# Altium PCB Lighting_Control_Board.PcbDoc (part 1 of 2) (continued)
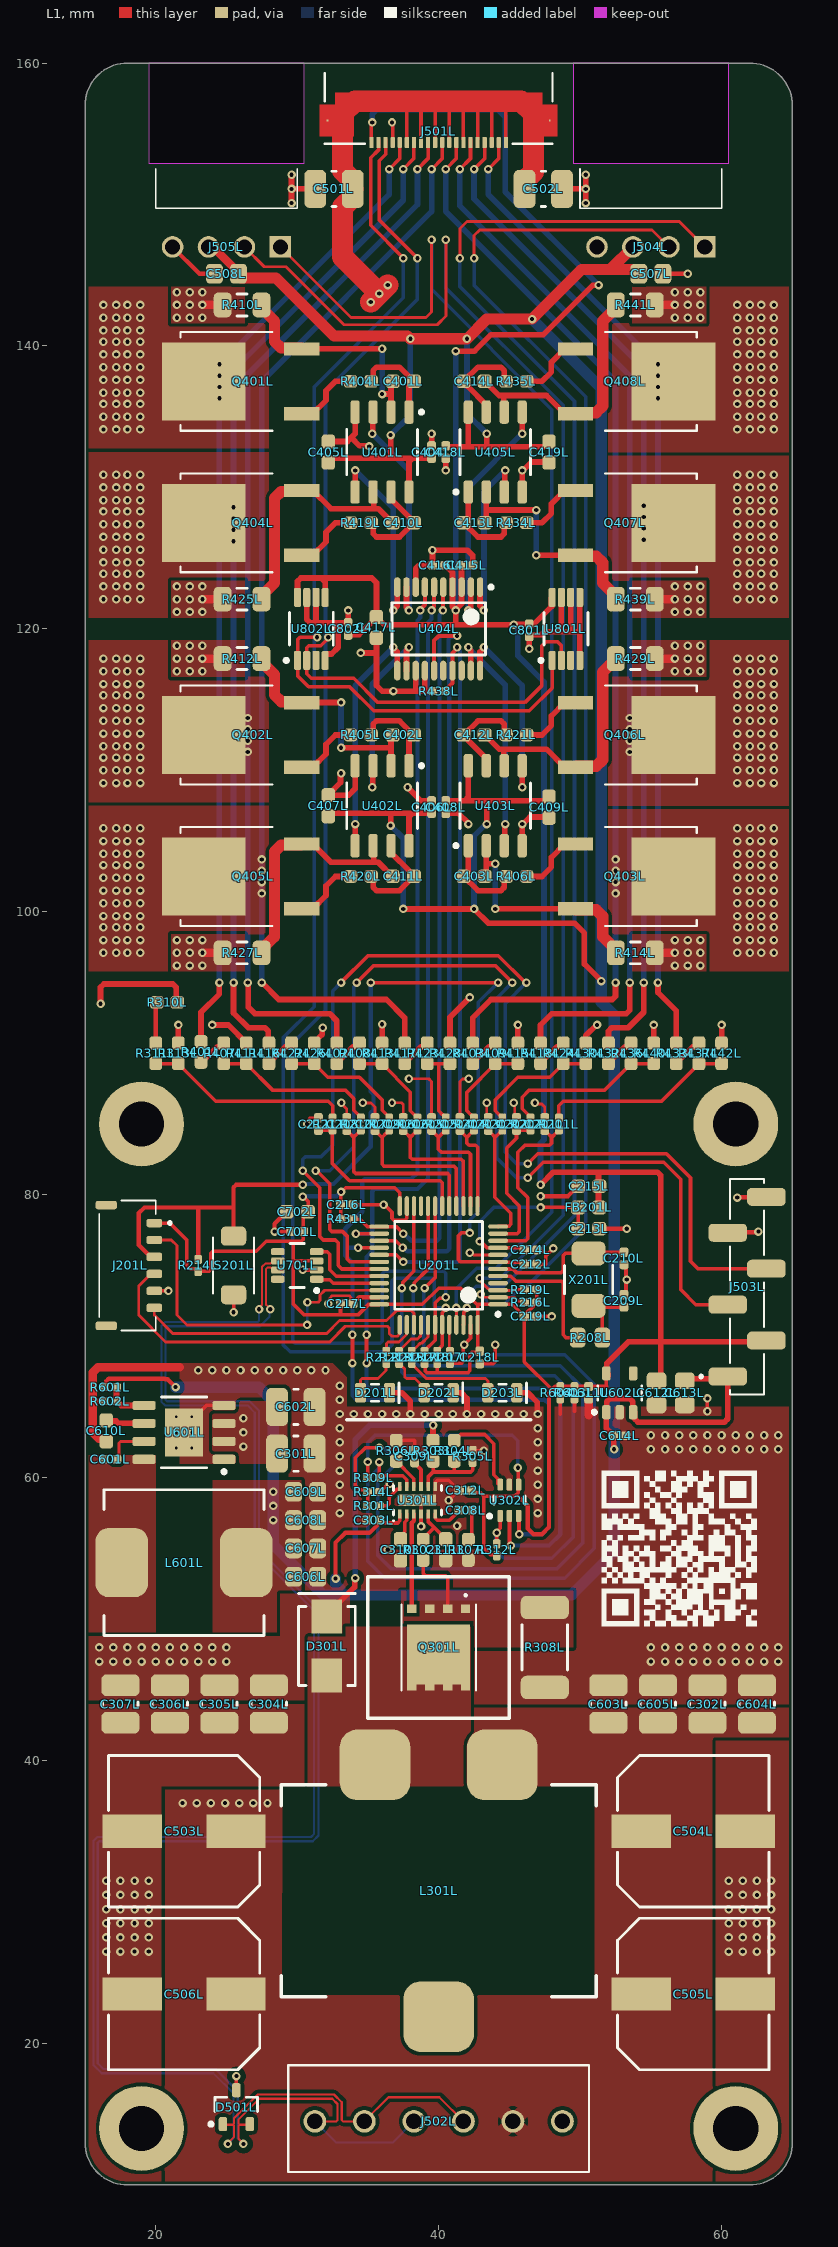
[diagram p0: L1 view]
## Part data (continued)
D201L D202L D203L: "-30℃~+85℃ 1.6V~2.6V 130° 195mcd 25mA 615nm~630nm 630nm 65mW Discrete Diode Red 0805 LED Indication - Discrete ROHS", Manufacturer="Foshan NationStar Optoelectronics", Supplier Part Number=C84256, Manufacturer Part Number=NCD0805R1, Supplier=LCSC
D301L: "DIODE SCHOTTKY 150V 3A SMBFLAT / Rectifier Diode Schottky 150V 3A Automotive 2-Pin SMB T/R", Manufacturer=STMicroelectronics, Supplier Part Number=C40041, ComponentLink1Description=https://datasheet.octopart.com:443/STPS3150U-STMicroelectronics-datasheet-62337139.pdf?src-supplier=STMicroelectronics, ComponentLink1URL=https://datasheet.octopart.com:443/STPS3150U-STMicroelectronics-datasheet-62337139.pdf?src-supplier=STMicroelectronics, ComponentLink2Description=https://datasheet.octopart.com:443/STPS3150U-STMicroelectronics-datasheet-10490298.pdf?src-supplier=Newark, ComponentLink2URL=https://datasheet.octopart.com:443/STPS3150U-STMicroelectronics-datasheet-10490298.pdf?src-supplier=Newark, ComponentLink3Description=https://datasheet.octopart.com:443/STPS3150U-STMicroelectronics-datasheet-66351763.pdf?src-supplier=TME, ComponentLink3URL=https://datasheet.octopart.com:443/STPS3150U-STMicroelectronics-datasheet-66351763.pdf?src-supplier=TME, ComponentLink4Description=https://datasheet.octopart.com:443/STPS3150U-STMicroelectronics-datasheet-48879.pdf?src-supplier=Nu+Horizons, ComponentLink4URL=https://datasheet.octopart.com:443/STPS3150U-STMicroelectronics-datasheet-48879.pdf?src-supplier=Nu+Horizons, ComponentLink5Description=https://datasheet.octopart.com:443/STPS3150U-STMicroelectronics-datasheet-127521.pdf?src-supplier=Farnell, ComponentLink5URL=https://datasheet.octopart.com:443/STPS3150U-STMicroelectronics-datasheet-127521.pdf?src-supplier=Farnell, ComponentLink6Description=https://datasheet.octopart.com:443/STPS3150U-STMicroelectronics-datasheet-14054768.pdf?src-supplier=iiiC, ComponentLink6URL=https://datasheet.octopart.com:443/STPS3150U-STMicroelectronics-datasheet-14054768.pdf?src-supplier=iiiC, ComponentLink7Description=https://datasheet.octopart.com:443/STPS3150U-STMicroelectronics-datasheet-21339.pdf?src-supplier=Mouser, ComponentLink7URL=https://datasheet.octopart.com:443/STPS3150U-STMicroelectronics-datasheet-21339.pdf?src-supplier=Mouser, Manufacturer Part Number=STPS3150U, Supplier=LCSC
D501L: "Automotive, dual 1.75pF ±24-V ±20-kV ESD protection diode for in-vehicle networks", Manufacturer="Texas Instruments", Supplier Part Number=C20345393, ComponentLink1Description=https://sigma.octopart.com:443/179129137/technical_drawing/Texas-Instruments-ESD2CANXL24DBZRQ1.pdf?src-supplier=Texas+Instruments, ComponentLink1URL=https://sigma.octopart.com:443/179129137/technical_drawing/Texas-Instruments-ESD2CANXL24DBZRQ1.pdf?src-supplier=Texas+Instruments, ComponentLink2Description=https://octopart.com:443/opatz8j6/c1?t=lNR_6sRHLPKw7P8s1f-P04G22oHVbNzLWIWsPGfWTXZ9XRQIvcA5wj7aC-3bH0hinutt4AnjL7p6lgyA7lOHjNt8nBmo7xetRU4eexJqdWdGJCmrDm-BWyIS_TvcQf3t1-nq1wS0AqH4-vRTWGrmWgud7pC0fyJDAEbjYJVT_McMvhHa8-DYyuNa33bEgm-4l-4f_LsuvkAfuxVyDYdP7eVVi8b2TRcUoqK1F4h2YfS05PEe3uCTNQAZT15EaK8Rv7aQinqmq15SoS-3EdZkqgYMfTiBeQ057CxLqHSGnbTzgE5D5or64hT-WVm7dN6eS7KK1x9JT8od4UsAxEVxyxTWGLSfv0bhoA6oAuQ233aPK6tgUaVUJzFwomW_15-JhpjxqKHvsXcmqo3K&src-supplier=Texas+Instruments, ComponentLink2URL=https://octopart.com:443/opatz8j6/c1?t=lNR_6sRHLPKw7P8s1f-P04G22oHVbNzLWIWsPGfWTXZ9XRQIvcA5wj7aC-3bH0hinutt4AnjL7p6lgyA7lOHjNt8nBmo7xetRU4eexJqdWdGJCmrDm-BWyIS_TvcQf3t1-nq1wS0AqH4-vRTWGrmWgud7pC0fyJDAEbjYJVT_McMvhHa8-DYyuNa33bEgm-4l-4f_LsuvkAfuxVyDYdP7eVVi8b2TRcUoqK1F4h2YfS05PEe3uCTNQAZT15EaK8Rv7aQinqmq15SoS-3EdZkqgYMfTiBeQ057CxLqHSGnbTzgE5D5or64hT-WVm7dN6eS7KK1x9JT8od4UsAxEVxyxTWGLSfv0bhoA6oAuQ233aPK6tgUaVUJzFwomW_15-JhpjxqKHvsXcmqo3K&src-supplier=Texas+Instruments, ComponentLink3Description=https://sigma.octopart.com:443/169406038/technical_drawing/Texas-Instruments-ESD2CANXL24DBZRQ1.pdf?src-supplier=Texas+Instruments, ComponentLink3URL=https://sigma.octopart.com:443/169406038/technical_drawing/Texas-Instruments-ESD2CANXL24DBZRQ1.pdf?src-supplier=Texas+Instruments, ComponentLink4Description=http://sigma.octopart.com:80/reach_statement/Texas-Instruments-company-64.pdf?src-supplier=Compliance+Statements, ComponentLink4URL=http://sigma.octopart.com:80/reach_statement/Texas-Instruments-company-64.pdf?src-supplier=Compliance+Statements, ComponentLink5Description=http://sigma.octopart.com:80/conflict_mineral_statement/Texas-Instruments-company-63.pdf?src-supplier=Compliance+Statements, ComponentLink5URL=http://sigma.octopart.com:80/conflict_mineral_statement/Texas-Instruments-company-63.pdf?src-supplier=Compliance+Statements, Manufacturer Part Number=ESD2CANXL24DBZRQ1, Supplier=LCSC
FB201L: "Ferrite Beads Multi-Layer Chip Bead 30Ohm 25% 100MHz 5A 0603 Paper T/R", Manufacturer=Murata, Supplier Part Number=C88982, ComponentLink1Description=https://datasheet.octopart.com:443/BLM18KG300TN1D-Murata-datasheet-180806579.pdf?src-supplier=IHS, ComponentLink1URL=https://datasheet.octopart.com:443/BLM18KG300TN1D-Murata-datasheet-180806579.pdf?src-supplier=IHS, ComponentLink2Description=https://datasheet.octopart.com:443/BLM18KG300TN1D-Murata-datasheet-32036517.pdf?src-supplier=Newark, ComponentLink2URL=https://datasheet.octopart.com:443/BLM18KG300TN1D-Murata-datasheet-32036517.pdf?src-supplier=Newark, ComponentLink3Description=https://datasheet.octopart.com:443/BLM18KG300TN1D-Murata-datasheet-141257998.pdf?src-supplier=Ciiva, ComponentLink3URL=https://datasheet.octopart.com:443/BLM18KG300TN1D-Murata-datasheet-141257998.pdf?src-supplier=Ciiva, ComponentLink4Description=https://datasheet.octopart.com:443/BLM18KG300TN1D-Murata-datasheet-138707124.pdf?src-supplier=Ciiva, ComponentLink4URL=https://datasheet.octopart.com:443/BLM18KG300TN1D-Murata-datasheet-138707124.pdf?src-supplier=Ciiva, ComponentLink5Description=https://datasheet.octopart.com:443/BLM18KG300TN1D-Murata-datasheet-151955973.pdf?src-supplier=SOS+electronic, ComponentLink5URL=https://datasheet.octopart.com:443/BLM18KG300TN1D-Murata-datasheet-151955973.pdf?src-supplier=SOS+electronic, ComponentLink6Description=https://datasheet.octopart.com:443/BLM18KG300TN1D-Murata-datasheet-113093508.pdf?src-supplier=Future+Electronics, ComponentLink6URL=https://datasheet.octopart.com:443/BLM18KG300TN1D-Murata-datasheet-113093508.pdf?src-supplier=Future+Electronics, ComponentLink7Description=https://datasheet.octopart.com:443/BLM18KG300TN1D-Murata-datasheet-64290213.pdf?src-supplier=Future+Electronics, ComponentLink7URL=https://datasheet.octopart.com:443/BLM18KG300TN1D-Murata-datasheet-64290213.pdf?src-supplier=Future+Electronics, ComponentLink8Description=https://datasheet.octopart.com/BLM18KG300TN1D-Murata-datasheet-37129980.pdf, ComponentLink8URL=https://datasheet.octopart.com/BLM18KG300TN1D-Murata-datasheet-37129980.pdf, ComponentLink9Description=https://datasheet.octopart.com:443/BLM18KG300TN1D-Murata-datasheet-11550489.pdf?src-supplier=Arrow+Electronics, ComponentLink9URL=https://datasheet.octopart.com:443/BLM18KG300TN1D-Murata-datasheet-11550489.pdf?src-supplier=Arrow+Electronics, ComponentLink10Description=http://sigma.octopart.com:80/reach_statement/Murata-company-16.pdf?src-supplier=Compliance+Statements, ComponentLink10URL=http://sigma.octopart.com:80/reach_statement/Murata-company-16.pdf?src-supplier=Compliance+Statements, Manufacturer Part Number=BLM18KG300TN1D, Supplier=LCSC
J201L: "1 1.2mm 1x6P 2.5mm 6 6P Black Copper alloy Gold LCP Surface Mount, Right Angle UL94V-0 SMD,P=1.2mm,Surface Mount，Right Angle Wire To Board Connector ROHS", Manufacturer="Amphenol ICC", Manufacturer Part Number=10125839-06RAEHLF, Supplier Part Number=C180227, Supplier=LCSC
J501L: "FFC / FPC Connectors FFC, FPC Contacts, Top Surface Mount, Right Angle T/R / Pinout for LED control.", Manufacturer=Molex, Manufacturer Part Number=52745-2097, Supplier Part Number=C164167, ComponentLink1Description=https://datasheet.octopart.com:443/52745-2097-Molex-datasheet-180776580.pdf?src-supplier=IHS, ComponentLink1URL=https://datasheet.octopart.com:443/52745-2097-Molex-datasheet-180776580.pdf?src-supplier=IHS, ComponentLink2Description=https://datasheet.octopart.com:443/52745-2097-Molex-datasheet-13775033.pdf?src-supplier=Molex, ComponentLink2URL=https://datasheet.octopart.com:443/52745-2097-Molex-datasheet-13775033.pdf?src-supplier=Molex, ComponentLink3Description=https://sigma.octopart.com:443/15649097/technical_drawing/Molex-52745-2097.pdf?src-supplier=Molex, ComponentLink3URL=https://sigma.octopart.com:443/15649097/technical_drawing/Molex-52745-2097.pdf?src-supplier=Molex, ComponentLink4Description=https://datasheet.octopart.com:443/527452097-Molex-datasheet-8335871.pdf?src-supplier=Factory+Futures, ComponentLink4URL=https://datasheet.octopart.com:443/527452097-Molex-datasheet-8335871.pdf?src-supplier=Factory+Futures, ComponentLink5Description=https://datasheet.octopart.com:443/52745-2097-Molex-datasheet-11535467.pdf?src-supplier=Arrow+Electronics, ComponentLink5URL=https://datasheet.octopart.com:443/52745-2097-Molex-datasheet-11535467.pdf?src-supplier=Arrow+Electronics, ComponentLink6Description=https://datasheet.octopart.com:443/0527452097-Molex-datasheet-11973683.pdf?src-supplier=Arrow+Electronics, ComponentLink6URL=https://datasheet.octopart.com:443/0527452097-Molex-datasheet-11973683.pdf?src-supplier=Arrow+Electronics, ComponentLink7Description=https://datasheet.octopart.com:443/52745-2097-Molex-datasheet-154755790.pdf?src-supplier=Master+Electronics, ComponentLink7URL=https://datasheet.octopart.com:443/52745-2097-Molex-datasheet-154755790.pdf?src-supplier=Master+Electronics, ComponentLink8Description=https://datasheet.octopart.com:443/52745-2097-Molex-datasheet-66628635.pdf?src-supplier=element14+APAC, ComponentLink8URL=https://datasheet.octopart.com:443/52745-2097-Molex-datasheet-66628635.pdf?src-supplier=element14+APAC, ComponentLink9Description=https://datasheet.octopart.com:443/52745-2097-Molex-datasheet-140186386.pdf?src-supplier=RS+(Formerly+Allied+Electronics), ComponentLink9URL=https://datasheet.octopart.com:443/52745-2097-Molex-datasheet-140186386.pdf?src-supplier=RS+(Formerly+Allied+Electronics), ComponentLink10Description=https://datasheet.octopart.com:443/52745-2097-Molex-datasheet-120153567.pdf?src-supplier=RS+(Formerly+Allied+Electronics), ComponentLink10URL=https://datasheet.octopart.com:443/52745-2097-Molex-datasheet-120153567.pdf?src-supplier=RS+(Formerly+Allied+Electronics), ComponentLink11Description=https://datasheet.octopart.com:443/52745-2097-Molex-datasheet-62059355.pdf?src-supplier=RS+(Formerly+Allied+Electronics), ComponentLink11URL=https://datasheet.octopart.com:443/52745-2097-Molex-datasheet-62059355.pdf?src-supplier=RS+(Formerly+Allied+Electronics), ComponentLink12Description=https://datasheet.octopart.com:443/52745-2097-Molex-datasheet-77521212.pdf?src-supplier=Newark, ComponentLink12URL=https://datasheet.octopart.com:443/52745-2097-Molex-datasheet-77521212.pdf?src-supplier=Newark, ComponentLink13Description=https://datasheet.octopart.com:443/52745-2097-Molex-datasheet-62116793.pdf?src-supplier=Electro+Sonic, ComponentLink13URL=https://datasheet.octopart.com:443/52745-2097-Molex-datasheet-62116793.pdf?src-supplier=Electro+Sonic, ComponentLink14Description=https://datasheet.octopart.com:443/52745-2097-Molex-datasheet-28806792.pdf?src-supplier=TME, ComponentLink14URL=https://datasheet.octopart.com:443/52745-2097-Molex-datasheet-28806792.pdf?src-supplier=TME, ComponentLink15Description=https://datasheet.octopart.com:443/52745-2097-Molex-datasheet-10979466.pdf?src-supplier=Farnell, ComponentLink15URL=https://datasheet.octopart.com:443/52745-2097-Molex-datasheet-10979466.pdf?src-supplier=Farnell, ComponentLink16Description=https://datasheet.octopart.com:443/52745-2097-Molex-datasheet-8878058.pdf?src-supplier=Farnell, ComponentLink16URL=https://datasheet.octopart.com:443/52745-2097-Molex-datasheet-8878058.pdf?src-supplier=Farnell, ComponentLink17Description=http://sigma.octopart.com:80/15649113/rohs_statement/Molex-52745-2097.pdf?src-supplier=Compliance+Statements, ComponentLink17URL=http://sigma.octopart.com:80/15649113/rohs_statement/Molex-52745-2097.pdf?src-supplier=Compliance+Statements, ComponentLink18Description=http://sigma.octopart.com:80/reach_statement/Molex-company-74.pdf?src-supplier=Compliance+Statements, ComponentLink18URL=http://sigma.octopart.com:80/reach_statement/Molex-company-74.pdf?src-supplier=Compliance+Statements, ComponentLink19Description=http://sigma.octopart.com:80/rohs_statement/Molex-company-73.pdf?src-supplier=Compliance+Statements, ComponentLink19URL=http://sigma.octopart.com:80/rohs_statement/Molex-company-73.pdf?src-supplier=Compliance+Statements, ComponentLink20Description=http://sigma.octopart.com:80/conflict_mineral_statement/Molex-company-72.pdf?src-supplier=Compliance+Statements, ComponentLink20URL=http://sigma.octopart.com:80/conflict_mineral_statement/Molex-company-72.pdf?src-supplier=Compliance+Statements, Supplier=LCSC
J502L: library part CAN_Power_Terminal, "TERM BLK 6POS SIDE ENT 3.5MM PCB", Manufacturer=Molex, Supplier Part Number=WM7862-ND, Manufacturer Part Number=0393570006, Supplier=DigiKey
J503L: library part "UART Header", "Conn Unshrouded Header HDR 6 POS 2.54mm Solder ST Top Entry SMD T/R", Manufacturer="Amphenol Communications Solutions", Manufacturer Part Number=95293-401A06LF, Supplier Part Number=C178297, ComponentLink1Description=https://datasheet.octopart.com:443/95293-401A06LF-Amphenol-Communications-Solutions-datasheet-159239804.pdf?src-supplier=IHS, ComponentLink1URL=https://datasheet.octopart.com:443/95293-401A06LF-Amphenol-Communications-Solutions-datasheet-159239804.pdf?src-supplier=IHS, ComponentLink2Description=https://datasheet.octopart.com:443/95293-401A06LF-Amphenol-Communications-Solutions-datasheet-154727413.pdf?src-supplier=Electro+Sonic, ComponentLink2URL=https://datasheet.octopart.com:443/95293-401A06LF-Amphenol-Communications-Solutions-datasheet-154727413.pdf?src-supplier=Electro+Sonic, ComponentLink3Description=https://datasheet.octopart.com:443/95293-401A06LF-Amphenol-Communications-Solutions-datasheet-140258519.pdf?src-supplier=Newark, ComponentLink3URL=https://datasheet.octopart.com:443/95293-401A06LF-Amphenol-Communications-Solutions-datasheet-140258519.pdf?src-supplier=Newark, ComponentLink4Description=https://datasheet.octopart.com:443/95293-401A06LF-Areva-datasheet-11550649.pdf?src-supplier=Factory+Futures, ComponentLink4URL=https://datasheet.octopart.com:443/95293-401A06LF-Areva-datasheet-11550649.pdf?src-supplier=Factory+Futures, Supplier=LCSC
J504L J505L: library part "Fan Header", "KK 254 Solid Header, Right-Angle, with Friction Lock, 4 Circuits, Tin (Sn) Plating", Manufacturer=Molex, Manufacturer Part Number=22-05-3041, Supplier Part Number=WM4302-ND, ComponentLink1Description=https://datasheet.octopart.com:443/22-05-3041-Molex-datasheet-138897077.pdf?src-supplier=Upverter, ComponentLink1URL=https://datasheet.octopart.com:443/22-05-3041-Molex-datasheet-138897077.pdf?src-supplier=Upverter, ComponentLink2Description=https://datasheet.octopart.com:443/22-05-3041-Molex-datasheet-10853841.pdf?src-supplier=HQonline, ComponentLink2URL=https://datasheet.octopart.com:443/22-05-3041-Molex-datasheet-10853841.pdf?src-supplier=HQonline, ComponentLink3Description=https://datasheet.octopart.com:443/022053041-Molex-datasheet-8346700.pdf?src-supplier=HQonline, ComponentLink3URL=https://datasheet.octopart.com:443/022053041-Molex-datasheet-8346700.pdf?src-supplier=HQonline, ComponentLink4Description=https://sigma.octopart.com:443/104066300/technical_drawing/Molex-22-05-3041.pdf?src-supplier=IHS, ComponentLink4URL=https://sigma.octopart.com:443/104066300/technical_drawing/Molex-22-05-3041.pdf?src-supplier=IHS, ComponentLink5Description=https://datasheet.octopart.com:443/22-05-3041-Molex-datasheet-13784660.pdf?src-supplier=Molex, ComponentLink5URL=https://datasheet.octopart.com:443/22-05-3041-Molex-datasheet-13784660.pdf?src-supplier=Molex, ComponentLink6Description=https://sigma.octopart.com:443/16295518/technical_drawing/Molex-22-05-3041.pdf?src-supplier=Molex, ComponentLink6URL=https://sigma.octopart.com:443/16295518/technical_drawing/Molex-22-05-3041.pdf?src-supplier=Molex, ComponentLink7Description=https://datasheet.octopart.com:443/22-05-3041-Molex-datasheet-154746875.pdf?src-supplier=JRH+Electronics, ComponentLink7URL=https://datasheet.octopart.com:443/22-05-3041-Molex-datasheet-154746875.pdf?src-supplier=JRH+Electronics, ComponentLink8Description=https://datasheet.octopart.com:443/22-05-3041-Molex-datasheet-101581736.pdf?src-supplier=Farnell, ComponentLink8URL=https://datasheet.octopart.com:443/22-05-3041-Molex-datasheet-101581736.pdf?src-supplier=Farnell, ComponentLink9Description=https://datasheet.octopart.com:443/22-05-3041-Molex-datasheet-11045788.pdf?src-supplier=Farnell, ComponentLink9URL=https://datasheet.octopart.com:443/22-05-3041-Molex-datasheet-11045788.pdf?src-supplier=Farnell, ComponentLink10Description=https://datasheet.octopart.com:443/22-05-3041-Molex-datasheet-8368046.pdf?src-supplier=Farnell, ComponentLink10URL=https://datasheet.octopart.com:443/22-05-3041-Molex-datasheet-8368046.pdf?src-supplier=Farnell, ComponentLink11Description=https://datasheet.octopart.com:443/22-05-3041.-Molex-datasheet-5324252.pdf?src-supplier=Farnell, ComponentLink11URL=https://datasheet.octopart.com:443/22-05-3041.-Molex-datasheet-5324252.pdf?src-supplier=Farnell, ComponentLink12Description=https://datasheet.octopart.com:443/22-05-3041-Molex-datasheet-27709971.pdf?src-supplier=TME, ComponentLink12URL=https://datasheet.octopart.com:443/22-05-3041-Molex-datasheet-27709971.pdf?src-supplier=TME, ComponentLink13Description=https://datasheet.octopart.com:443/22-05-3041-Molex-datasheet-21538492.pdf?src-supplier=Electro+Sonic, ComponentLink13URL=https://datasheet.octopart.com:443/22-05-3041-Molex-datasheet-21538492.pdf?src-supplier=Electro+Sonic, ComponentLink14Description=https://datasheet.octopart.com:443/22-05-3041-Molex-datasheet-62103357.pdf?src-supplier=Electro+Sonic, ComponentLink14URL=https://datasheet.octopart.com:443/22-05-3041-Molex-datasheet-62103357.pdf?src-supplier=Electro+Sonic, ComponentLink15Description=https://datasheet.octopart.com:443/22-05-3041-Molex-datasheet-37168659.pdf?src-supplier=Electro+Sonic, ComponentLink15URL=https://datasheet.octopart.com:443/22-05-3041-Molex-datasheet-37168659.pdf?src-supplier=Electro+Sonic, ComponentLink16Description=https://datasheet.octopart.com:443/22-05-3041-Molex-datasheet-140180755.pdf?src-supplier=RS+(Formerly+Allied+Electronics), ComponentLink16URL=https://datasheet.octopart.com:443/22-05-3041-Molex-datasheet-140180755.pdf?src-supplier=RS+(Formerly+Allied+Electronics), ComponentLink17Description=https://datasheet.octopart.com:443/22-05-3041-Molex-datasheet-9805791.pdf?src-supplier=RS+(Formerly+Allied+Electronics), ComponentLink17URL=https://datasheet.octopart.com:443/22-05-3041-Molex-datasheet-9805791.pdf?src-supplier=RS+(Formerly+Allied+Electronics), ComponentLink18Description=https://datasheet.octopart.com:443/22-05-3041-Molex-datasheet-12970.pdf?src-supplier=RS+(Formerly+Allied+Electronics), ComponentLink18URL=https://datasheet.octopart.com:443/22-05-3041-Molex-datasheet-12970.pdf?src-supplier=RS+(Formerly+Allied+Electronics), ComponentLink19Description=https://datasheet.octopart.com:443/22053041-Molex-datasheet-137316104.pdf?src-supplier=Future+Electronics, ComponentLink19URL=https://datasheet.octopart.com:443/22053041-Molex-datasheet-137316104.pdf?src-supplier=Future+Electronics, ComponentLink20Description=https://datasheet.octopart.com:443/22-05-3041-Molex-datasheet-33002210.pdf?src-supplier=Newark, ComponentLink20URL=https://datasheet.octopart.com:443/22-05-3041-Molex-datasheet-33002210.pdf?src-supplier=Newark, ComponentLink21Description=https://datasheet.octopart.com:443/22-05-3041-Molex-datasheet-21206817.pdf?src-supplier=Newark, ComponentLink21URL=https://datasheet.octopart.com:443/22-05-3041-Molex-datasheet-21206817.pdf?src-supplier=Newark, ComponentLink22Description=https://datasheet.octopart.com:443/22-05-3041-Molex-datasheet-23017.pdf?src-supplier=Newark, ComponentLink22URL=https://datasheet.octopart.com:443/22-05-3041-Molex-datasheet-23017.pdf?src-supplier=Newark, ComponentLink23Description=https://datasheet.octopart.com:443/22-05-3041-Molex-datasheet-8333278.pdf?src-supplier=element14, ComponentLink23URL=https://datasheet.octopart.com:443/22-05-3041-Molex-datasheet-8333278.pdf?src-supplier=element14, ComponentLink24Description=https://datasheet.octopart.com:443/22053041-Molex-datasheet-8209666.pdf?src-supplier=Jameco, ComponentLink24URL=https://datasheet.octopart.com:443/22053041-Molex-datasheet-8209666.pdf?src-supplier=Jameco, ComponentLink25Description=https://datasheet.octopart.com:443/22-05-3041-Molex-datasheet-7272720.pdf?src-supplier=Jameco, ComponentLink25URL=https://datasheet.octopart.com:443/22-05-3041-Molex-datasheet-7272720.pdf?src-supplier=Jameco, ComponentLink26Description=https://datasheet.octopart.com:443/22-05-3041-Molex-datasheet-143055.pdf?src-supplier=DigiKey, ComponentLink26URL=https://datasheet.octopart.com:443/22-05-3041-Molex-datasheet-143055.pdf?src-supplier=DigiKey, ComponentLink27Description=http://sigma.octopart.com:80/16295520/rohs_statement/Molex-22-05-3041.pdf?src-supplier=Compliance+Statements, ComponentLink27URL=http://sigma.octopart.com:80/16295520/rohs_statement/Molex-22-05-3041.pdf?src-supplier=Compliance+Statements, ComponentLink28Description=http://sigma.octopart.com:80/reach_statement/Molex-company-74.pdf?src-supplier=Compliance+Statements, ComponentLink28URL=http://sigma.octopart.com:80/reach_statement/Molex-company-74.pdf?src-supplier=Compliance+Statements, ComponentLink29Description=http://sigma.octopart.com:80/rohs_statement/Molex-company-73.pdf?src-supplier=Compliance+Statements, ComponentLink29URL=http://sigma.octopart.com:80/rohs_statement/Molex-company-73.pdf?src-supplier=Compliance+Statements, ComponentLink30Description=http://sigma.octopart.com:80/conflict_mineral_statement/Molex-company-72.pdf?src-supplier=Compliance+Statements, ComponentLink30URL=http://sigma.octopart.com:80/conflict_mineral_statement/Molex-company-72.pdf?src-supplier=Compliance+Statements, Supplier=DigiKey
L301L: "7443633300 Order from DigiKey", Manufacturer="Würth Elektronik", Manufacturer Part Number=7443633300, Supplier Part Number=732-2524-2-ND, Supplier=DigiKey
L601L: "General Purpose Inductor, 18uH, 20%, 1 Element, Metal Alloy Powder-Core, SMD, 4039", Manufacturer=Bourns, Manufacturer Part Number=SRP1050WA-180M, Supplier Part Number=C19947663, ComponentLink1Description=https://datasheet.octopart.com:443/SRP1050WA-180M-Bourns-datasheet-179984112.pdf?src-supplier=IHS, ComponentLink1URL=https://datasheet.octopart.com:443/SRP1050WA-180M-Bourns-datasheet-179984112.pdf?src-supplier=IHS, ComponentLink2Description=http://sigma.octopart.com:80/conflict_mineral_statement/Bourns-company-36.pdf?src-supplier=Compliance+Statements, ComponentLink2URL=http://sigma.octopart.com:80/conflict_mineral_statement/Bourns-company-36.pdf?src-supplier=Compliance+Statements, Supplier=LCSC
Q301L: "100-V, N channel NexFET™ power MOSFET, single SON 5 mm x 6 mm, 6.4 mOhm 8-VSONP -55 to 150", Manufacturer="Texas Instruments", Supplier Part Number=C2760462, ComponentLink1Description=https://sigma.octopart.com:443/184372194/technical_drawing/Texas-Instruments-CSD19531Q5A.pdf?src-supplier=Texas+Instruments, ComponentLink1URL=https://sigma.octopart.com:443/184372194/technical_drawing/Texas-Instruments-CSD19531Q5A.pdf?src-supplier=Texas+Instruments, ComponentLink2Description=https://octopart.com:443/opatz8j6/c1?t=wklPcp58AbHJ4RRaLkR_ifwxxo1B96OIbLV_3DJkWUY12fJO0X88PtFSAOnnJMzdG6WrMsvqQlImKIbsu8hNjg8m2aEFgAXbm4nS_JvBiDfw5ETAo9S0EoIyli5B1ETxG5x4AXbPj_3csP9-y79H5Y3ZbsQk7EKptUnDF4cvMOT3mWVC0u0Kzey44HusDK0bIdIT4qYi0o1I_g49QPmTlw9Af_HEZFGI-tsGiPs1daYBaHQQ9yDH4TS0hn7xE1sVlhTeIy_CetF_BRV7Wz_wglmnE115vV0Ji40nlzNiQ8jsfDeTHtAwrBlGENWElmjVY-rFFRUm07X7fH6sac4t_3ZoGwesjdtGRSluLXOCS9-w86h-f3pkmYxXXC9XvGtkKxSXt6AhH6c&src-supplier=Texas+Instruments, ComponentLink2URL=https://octopart.com:443/opatz8j6/c1?t=wklPcp58AbHJ4RRaLkR_ifwxxo1B96OIbLV_3DJkWUY12fJO0X88PtFSAOnnJMzdG6WrMsvqQlImKIbsu8hNjg8m2aEFgAXbm4nS_JvBiDfw5ETAo9S0EoIyli5B1ETxG5x4AXbPj_3csP9-y79H5Y3ZbsQk7EKptUnDF4cvMOT3mWVC0u0Kzey44HusDK0bIdIT4qYi0o1I_g49QPmTlw9Af_HEZFGI-tsGiPs1daYBaHQQ9yDH4TS0hn7xE1sVlhTeIy_CetF_BRV7Wz_wglmnE115vV0Ji40nlzNiQ8jsfDeTHtAwrBlGENWElmjVY-rFFRUm07X7fH6sac4t_3ZoGwesjdtGRSluLXOCS9-w86h-f3pkmYxXXC9XvGtkKxSXt6AhH6c&src-supplier=Texas+Instruments, ComponentLink3Description=https://datasheet.octopart.com:443/CSD19531Q5A-Texas-Instruments-datasheet-24969118.pdf?src-supplier=Texas+Instruments, ComponentLink3URL=https://datasheet.octopart.com:443/CSD19531Q5A-Texas-Instruments-datasheet-24969118.pdf?src-supplier=Texas+Instruments, ComponentLink4Description=https://sigma.octopart.com:443/183468693/technical_drawing/Texas-Instruments-CSD19531Q5A.pdf?src-supplier=Texas+Instruments, ComponentLink4URL=https://sigma.octopart.com:443/183468693/technical_drawing/Texas-Instruments-CSD19531Q5A.pdf?src-supplier=Texas+Instruments, ComponentLink5Description=https://datasheet.octopart.com:443/CSD19531Q5A-Texas-Instruments-datasheet-26532429.pdf?src-supplier=Texas+Instruments, ComponentLink5URL=https://datasheet.octopart.com:443/CSD19531Q5A-Texas-Instruments-datasheet-26532429.pdf?src-supplier=Texas+Instruments, ComponentLink6Description=https://datasheet.octopart.com:443/CSD19531Q5A-Texas-Instruments-datasheet-21773012.pdf?src-supplier=Texas+Instruments, ComponentLink6URL=https://datasheet.octopart.com:443/CSD19531Q5A-Texas-Instruments-datasheet-21773012.pdf?src-supplier=Texas+Instruments, ComponentLink7Description=https://datasheet.octopart.com:443/CSD19531Q5A-Texas-Instruments-datasheet-17852426.pdf?src-supplier=Texas+Instruments, ComponentLink7URL=https://datasheet.octopart.com:443/CSD19531Q5A-Texas-Instruments-datasheet-17852426.pdf?src-supplier=Texas+Instruments, ComponentLink8Description=https://datasheet.octopart.com:443/CSD19531Q5A-Texas-Instruments-datasheet-148780581.pdf?src-supplier=Upverter, ComponentLink8URL=https://datasheet.octopart.com:443/CSD19531Q5A-Texas-Instruments-datasheet-148780581.pdf?src-supplier=Upverter, ComponentLink9Description=https://datasheet.octopart.com:443/CSD19531Q5A-Texas-Instruments-datasheet-62115728.pdf?src-supplier=element14+APAC, ComponentLink9URL=https://datasheet.octopart.com:443/CSD19531Q5A-Texas-Instruments-datasheet-62115728.pdf?src-supplier=element14+APAC, ComponentLink10Description=https://datasheet.octopart.com:443/CSD19531Q5A-Texas-Instruments-datasheet-33010042.pdf?src-supplier=element14+APAC, ComponentLink10URL=https://datasheet.octopart.com:443/CSD19531Q5A-Texas-Instruments-datasheet-33010042.pdf?src-supplier=element14+APAC, ComponentLink11Description=https://datasheet.octopart.com:443/CSD19531Q5A-Texas-Instruments-datasheet-24969116.pdf?src-supplier=Newark, ComponentLink11URL=https://datasheet.octopart.com:443/CSD19531Q5A-Texas-Instruments-datasheet-24969116.pdf?src-supplier=Newark, ComponentLink12Description=https://datasheet.octopart.com:443/CSD19531Q5A-Texas-Instruments-datasheet-163637340.pdf?src-supplier=LCSC, ComponentLink12URL=https://datasheet.octopart.com:443/CSD19531Q5A-Texas-Instruments-datasheet-163637340.pdf?src-supplier=LCSC, ComponentLink13Description=https://datasheet.octopart.com:443/CSD19531Q5A-Texas-Instruments-datasheet-140571322.pdf?src-supplier=Arrow.cn, ComponentLink13URL=https://datasheet.octopart.com:443/CSD19531Q5A-Texas-Instruments-datasheet-140571322.pdf?src-supplier=Arrow.cn, ComponentLink14Description=http://sigma.octopart.com:80/reach_statement/Texas-Instruments-company-64.pdf?src-supplier=Compliance+Statements, ComponentLink14URL=http://sigma.octopart.com:80/reach_statement/Texas-Instruments-company-64.pdf?src-supplier=Compliance+Statements, ComponentLink15Description=http://sigma.octopart.com:80/conflict_mineral_statement/Texas-Instruments-company-63.pdf?src-supplier=Compliance+Statements, ComponentLink15URL=http://sigma.octopart.com:80/conflict_mineral_statement/Texas-Instruments-company-63.pdf?src-supplier=Compliance+Statements, Manufacturer Part Number=CSD19531Q5A, Supplier=LCSC
Q401L Q402L Q403L Q404L Q405L Q406L Q407L Q408L: "MOSFET N-CH 100V 17A DPAK N-Channel 100 V 17A (Tc) 79W (Tc) Surface Mount TO-252AA (DPAK)", Manufacturer=Infineon, Supplier Part Number=C3017, ComponentLink1Description=https://datasheet.octopart.com:443/IRLR3410TRPBF-Infineon-datasheet-5333105.pdf?src-supplier=Newark, ComponentLink1URL=https://datasheet.octopart.com:443/IRLR3410TRPBF-Infineon-datasheet-5333105.pdf?src-supplier=Newark, ComponentLink2Description=Datasheet, ComponentLink2URL=https://www.infineon.com/dgdl/irlr3410pbf.pdf?fileId=5546d462533600a40153566d14c52695, ComponentLink3Description=https://datasheet.octopart.com:443/IRLR3410TRPBF-Infineon-datasheet-180073437.pdf?src-supplier=Newark, ComponentLink3URL=https://datasheet.octopart.com:443/IRLR3410TRPBF-Infineon-datasheet-180073437.pdf?src-supplier=Newark, ComponentLink4Description=https://datasheet.octopart.com:443/IRLR3410TRPBF-International-Rectifier-datasheet-23783.pdf?src-supplier=Newark, ComponentLink4URL=https://datasheet.octopart.com:443/IRLR3410TRPBF-International-Rectifier-datasheet-23783.pdf?src-supplier=Newark, ComponentLink5Description=https://datasheet.octopart.com:443/IRLR3410TRPBF-International-Rectifier-datasheet-14060032.pdf?src-supplier=iiiC, ComponentLink5URL=https://datasheet.octopart.com:443/IRLR3410TRPBF-International-Rectifier-datasheet-14060032.pdf?src-supplier=iiiC, ComponentLink6Description=http://sigma.octopart.com:80/conflict_mineral_statement/Infineon-company-51.pdf?src-supplier=Compliance+Statements, ComponentLink6URL=http://sigma.octopart.com:80/conflict_mineral_statement/Infineon-company-51.pdf?src-supplier=Compliance+Statements, ComponentLink7Description=http://sigma.octopart.com:80/reach_statement/International-Rectifier-company-55.pdf?src-supplier=Compliance+Statements, ComponentLink7URL=http://sigma.octopart.com:80/reach_statement/International-Rectifier-company-55.pdf?src-supplier=Compliance+Statements, ComponentLink8Description=http://sigma.octopart.com:80/rohs_statement/International-Rectifier-company-54.pdf?src-supplier=Compliance+Statements, ComponentLink8URL=http://sigma.octopart.com:80/rohs_statement/International-Rectifier-company-54.pdf?src-supplier=Compliance+Statements, Manufacturer Part Number=IRLR3410TRPBF, Supplier=LCSC
R201L R202L R203L R204L R205L R206L R209L R210L R211L R212L R213L R215L R301L R305L R603L R604L: "-55℃~+155℃ 1kΩ 50V 62.5mW Thick Film Resistor ±1% ±100ppm/℃ 0402 Chip Resistor - Surface Mount ROHS", Manufacturer="UNI-ROYAL(Uniroyal Elec)", Manufacturer Part Number=0402WGF1001TCE, Supplier Part Number=C11702, Supplier=LCSC
R207L R214L R216L R219L R309L R312L R314L R431L R438L R601L: "-55℃~+155℃ 10kΩ 50V 62.5mW Thick Film Resistor ±1% ±100ppm/℃ 0402 Chip Resistor - Surface Mount ROHS", Manufacturer="UNI-ROYAL(Uniroyal Elec)", Manufacturer Part Number=0402WGF1002TCE, Supplier Part Number=C25744, Supplier=LCSC
R208L: "-55℃~+155℃ 0Ω 125mW 150V Thick Film Resistor ±1% ±800ppm/℃ 0805 Chip Resistor - Surface Mount ROHS", Manufacturer="UNI-ROYAL(Uniroyal Elec)", Manufacturer Part Number=0805W8F0000T5E, Supplier Part Number=C17477, Supplier=LCSC
R217L R218L: "-55℃~+155℃ 5.1kΩ 50V 62.5mW Thick Film Resistor ±1% ±100ppm/℃ 0402 Chip Resistor - Surface Mount ROHS", Manufacturer="UNI-ROYAL(Uniroyal Elec)", Manufacturer Part Number=0402WGF5101TCE, Supplier Part Number=C25905, Supplier=LCSC
R302L R404L R405L R406L R419L R420L R421L R434L R435L: "Resistor", Manufacturer="UNI-ROYAL(Uniroyal Elec)", Manufacturer Part Number=0603WAF470JT5E, Supplier Part Number=C23182, Supplier=LCSC
R303L: "Resistor", Manufacturer="UNI-ROYAL(Uniroyal Elec)", Manufacturer Part Number=0603WAF4422T5E, Supplier Part Number=C23056, Supplier=LCSC
R304L: "Resistor", Manufacturer="UNI-ROYAL(Uniroyal Elec)", Manufacturer Part Number=0603WAF2871T5E, Supplier Part Number=C22907, Supplier=LCSC
R306L R401L R402L R403L R407L R408L R409L R411L R413L R415L R416L R417L R418L R422L R423L R424L R426L R428L R430L R432L R433L R436L R437L R440L R442L: "Resistor", Manufacturer="UNI-ROYAL(Uniroyal Elec)", Manufacturer Part Number=0603WAF7502T5E, Supplier Part Number=C23242, Supplier=LCSC
R307L: "Resistor", Manufacturer="UNI-ROYAL(Uniroyal Elec)", Manufacturer Part Number=0603WAF3901T5E, Supplier Part Number=C23018, Supplier=LCSC
R308L: "Resistor", Manufacturer=jieerrui, Manufacturer Part Number=JER2512F3R008, Supplier Part Number=C46634461, Supplier=LCSC
R310L R311L: "Resistor", Manufacturer="UNI-ROYAL(Uniroyal Elec)", Manufacturer Part Number=0603WAF4993T5E, Supplier Part Number=C26751, Supplier=LCSC
R313L: "Resistor", Manufacturer="UNI-ROYAL(Uniroyal Elec)", Manufacturer Part Number=0603WAF3322T5E, Supplier Part Number=C23003, Supplier=LCSC
R410L R412L R414L R425L R427L R429L R439L R441L: "Res Thick Film 1206 1 Ohm 1% 0.75W(3/4W) ±100ppm/C Pad SMD T/R Automotive AEC-Q200", Manufacturer=Vishay, Manufacturer Part Number=CRCW12061R00FKEAHP, Supplier Part Number=C844653, ComponentLink1Description=https://datasheet.octopart.com:443/CRCW12061R00FKEAHP-Vishay-datasheet-83567917.pdf?src-supplier=Upverter, ComponentLink1URL=https://datasheet.octopart.com:443/CRCW12061R00FKEAHP-Vishay-datasheet-83567917.pdf?src-supplier=Upverter, ComponentLink2Description=https://datasheet.octopart.com:443/CRCW12061R00FKEAHP-Vishay-datasheet-87136057.pdf?src-supplier=element14+APAC, ComponentLink2URL=https://datasheet.octopart.com:443/CRCW12061R00FKEAHP-Vishay-datasheet-87136057.pdf?src-supplier=element14+APAC, ComponentLink3Description=https://datasheet.octopart.com:443/CRCW12061R00FKEAHP-Vishay-datasheet-66581887.pdf?src-supplier=Newark, ComponentLink3URL=https://datasheet.octopart.com:443/CRCW12061R00FKEAHP-Vishay-datasheet-66581887.pdf?src-supplier=Newark, ComponentLink4Description=https://datasheet.octopart.com:443/CRCW12061R00FKEAHP-Vishay-datasheet-37143532.pdf?src-supplier=Newark, ComponentLink4URL=https://datasheet.octopart.com:443/CRCW12061R00FKEAHP-Vishay-datasheet-37143532.pdf?src-supplier=Newark, ComponentLink5Description=https://datasheet.octopart.com:443/CRCW12061R00FKEAHP-Vishay-datasheet-112276998.pdf?src-supplier=Newark, ComponentLink5URL=https://datasheet.octopart.com:443/CRCW12061R00FKEAHP-Vishay-datasheet-112276998.pdf?src-supplier=Newark, ComponentLink6Description=https://datasheet.octopart.com:443/CRCW12061R00FKEAHP-Vishay-datasheet-62316122.pdf?src-supplier=Future+Electronics, ComponentLink6URL=https://datasheet.octopart.com:443/CRCW12061R00FKEAHP-Vishay-datasheet-62316122.pdf?src-supplier=Future+Electronics, ComponentLink7Description=https://datasheet.octopart.com:443/CRCW12061R00FKEAHP-Vishay-datasheet-13148866.pdf?src-supplier=Future+Electronics, ComponentLink7URL=https://datasheet.octopart.com:443/CRCW12061R00FKEAHP-Vishay-datasheet-13148866.pdf?src-supplier=Future+Electronics, ComponentLink8Description=https://datasheet.octopart.com:443/CRCW12061R00FKEAHP-Vishay-datasheet-13131392.pdf?src-supplier=Future+Electronics, ComponentLink8URL=https://datasheet.octopart.com:443/CRCW12061R00FKEAHP-Vishay-datasheet-13131392.pdf?src-supplier=Future+Electronics, ComponentLink9Description=https://datasheet.octopart.com:443/CRCW12061R00FKEAHP-Vishay-datasheet-12593106.pdf?src-supplier=Future+Electronics, ComponentLink9URL=https://datasheet.octopart.com:443/CRCW12061R00FKEAHP-Vishay-datasheet-12593106.pdf?src-supplier=Future+Electronics, ComponentLink10Description=https://datasheet.octopart.com:443/CRCW12061R00FKEAHP-Vishay-datasheet-12544674.pdf?src-supplier=Future+Electronics, ComponentLink10URL=https://datasheet.octopart.com:443/CRCW12061R00FKEAHP-Vishay-datasheet-12544674.pdf?src-supplier=Future+Electronics, ComponentLink11Description=https://datasheet.octopart.com:443/CRCW12061R00FKEAHP-Vishay-datasheet-12531795.pdf?src-supplier=Future+Electronics, ComponentLink11URL=https://datasheet.octopart.com:443/CRCW12061R00FKEAHP-Vishay-datasheet-12531795.pdf?src-supplier=Future+Electronics, ComponentLink12Description=https://datasheet.octopart.com:443/CRCW12061R00FKEAHP-Vishay-datasheet-12518686.pdf?src-supplier=Future+Electronics, ComponentLink12URL=https://datasheet.octopart.com:443/CRCW12061R00FKEAHP-Vishay-datasheet-12518686.pdf?src-supplier=Future+Electronics, ComponentLink13Description=https://datasheet.octopart.com:443/CRCW12061R00FKEAHP-Vishay-datasheet-12509906.pdf?src-supplier=Future+Electronics, ComponentLink13URL=https://datasheet.octopart.com:443/CRCW12061R00FKEAHP-Vishay-datasheet-12509906.pdf?src-supplier=Future+Electronics, ComponentLink14Description=https://datasheet.octopart.com:443/CRCW12061R00FKEAHP-Vishay-datasheet-10669844.pdf?src-supplier=Future+Electronics, ComponentLink14URL=https://datasheet.octopart.com:443/CRCW12061R00FKEAHP-Vishay-datasheet-10669844.pdf?src-supplier=Future+Electronics, ComponentLink15Description=https://datasheet.octopart.com:443/CRCW12061R00FKEAHP-Vishay-datasheet-8703221.pdf?src-supplier=Future+Electronics, ComponentLink15URL=https://datasheet.octopart.com:443/CRCW12061R00FKEAHP-Vishay-datasheet-8703221.pdf?src-supplier=Future+Electronics, ComponentLink16Description=https://datasheet.octopart.com:443/CRCW12061R00FKEAHP-Vishay-Dale-datasheet-47688881.pdf?src-supplier=RS+(Formerly+Allied+Electronics), ComponentLink16URL=https://datasheet.octopart.com:443/CRCW12061R00FKEAHP-Vishay-Dale-datasheet-47688881.pdf?src-supplier=RS+(Formerly+Allied+Electronics), ComponentLink17Description=https://datasheet.octopart.com/D-CRCW-e3-Standard-Thick-Film-Chip-Resistors-Vishay-datasheet-family-64.pdf, ComponentLink17URL=https://datasheet.octopart.com/D-CRCW-e3-Standard-Thick-Film-Chip-Resistors-Vishay-datasheet-family-64.pdf, ComponentLink18Description=http://sigma.octopart.com:80/rohs_certificate/D-CRCW-e3-Standard-Thick-Film-Chip-Resistors-Vishay-family-102.pdf?src-supplier=Compliance+Statements, ComponentLink18URL=http://sigma.octopart.com:80/rohs_certificate/D-CRCW-e3-Standard-Thick-Film-Chip-Resistors-Vishay-family-102.pdf?src-supplier=Compliance+Statements, Supplier=LCSC
R602L: "-55℃~+155℃ 2.49kΩ 50V 62.5mW Thick Film Resistor ±1% ±100ppm/℃ 0402 Chip Resistor - Surface Mount ROHS", Manufacturer="UNI-ROYAL(Uniroyal Elec)", Manufacturer Part Number=0402WGF2491TCE, Supplier Part Number=C25884, Supplier=LCSC
S201L: "Without 50mA 4mm 100MΩ 100000 Times 12V 160gf 3mm 2mm Round Button Standing paste SPST SMD Tactile Switches ROHS", Manufacturer=Xunpu, Supplier Part Number=C720477, Manufacturer Part Number=TS-1088-AR02016, Supplier=LCSC